# KiCad board mezi_panel.kicad_pcb (continued)
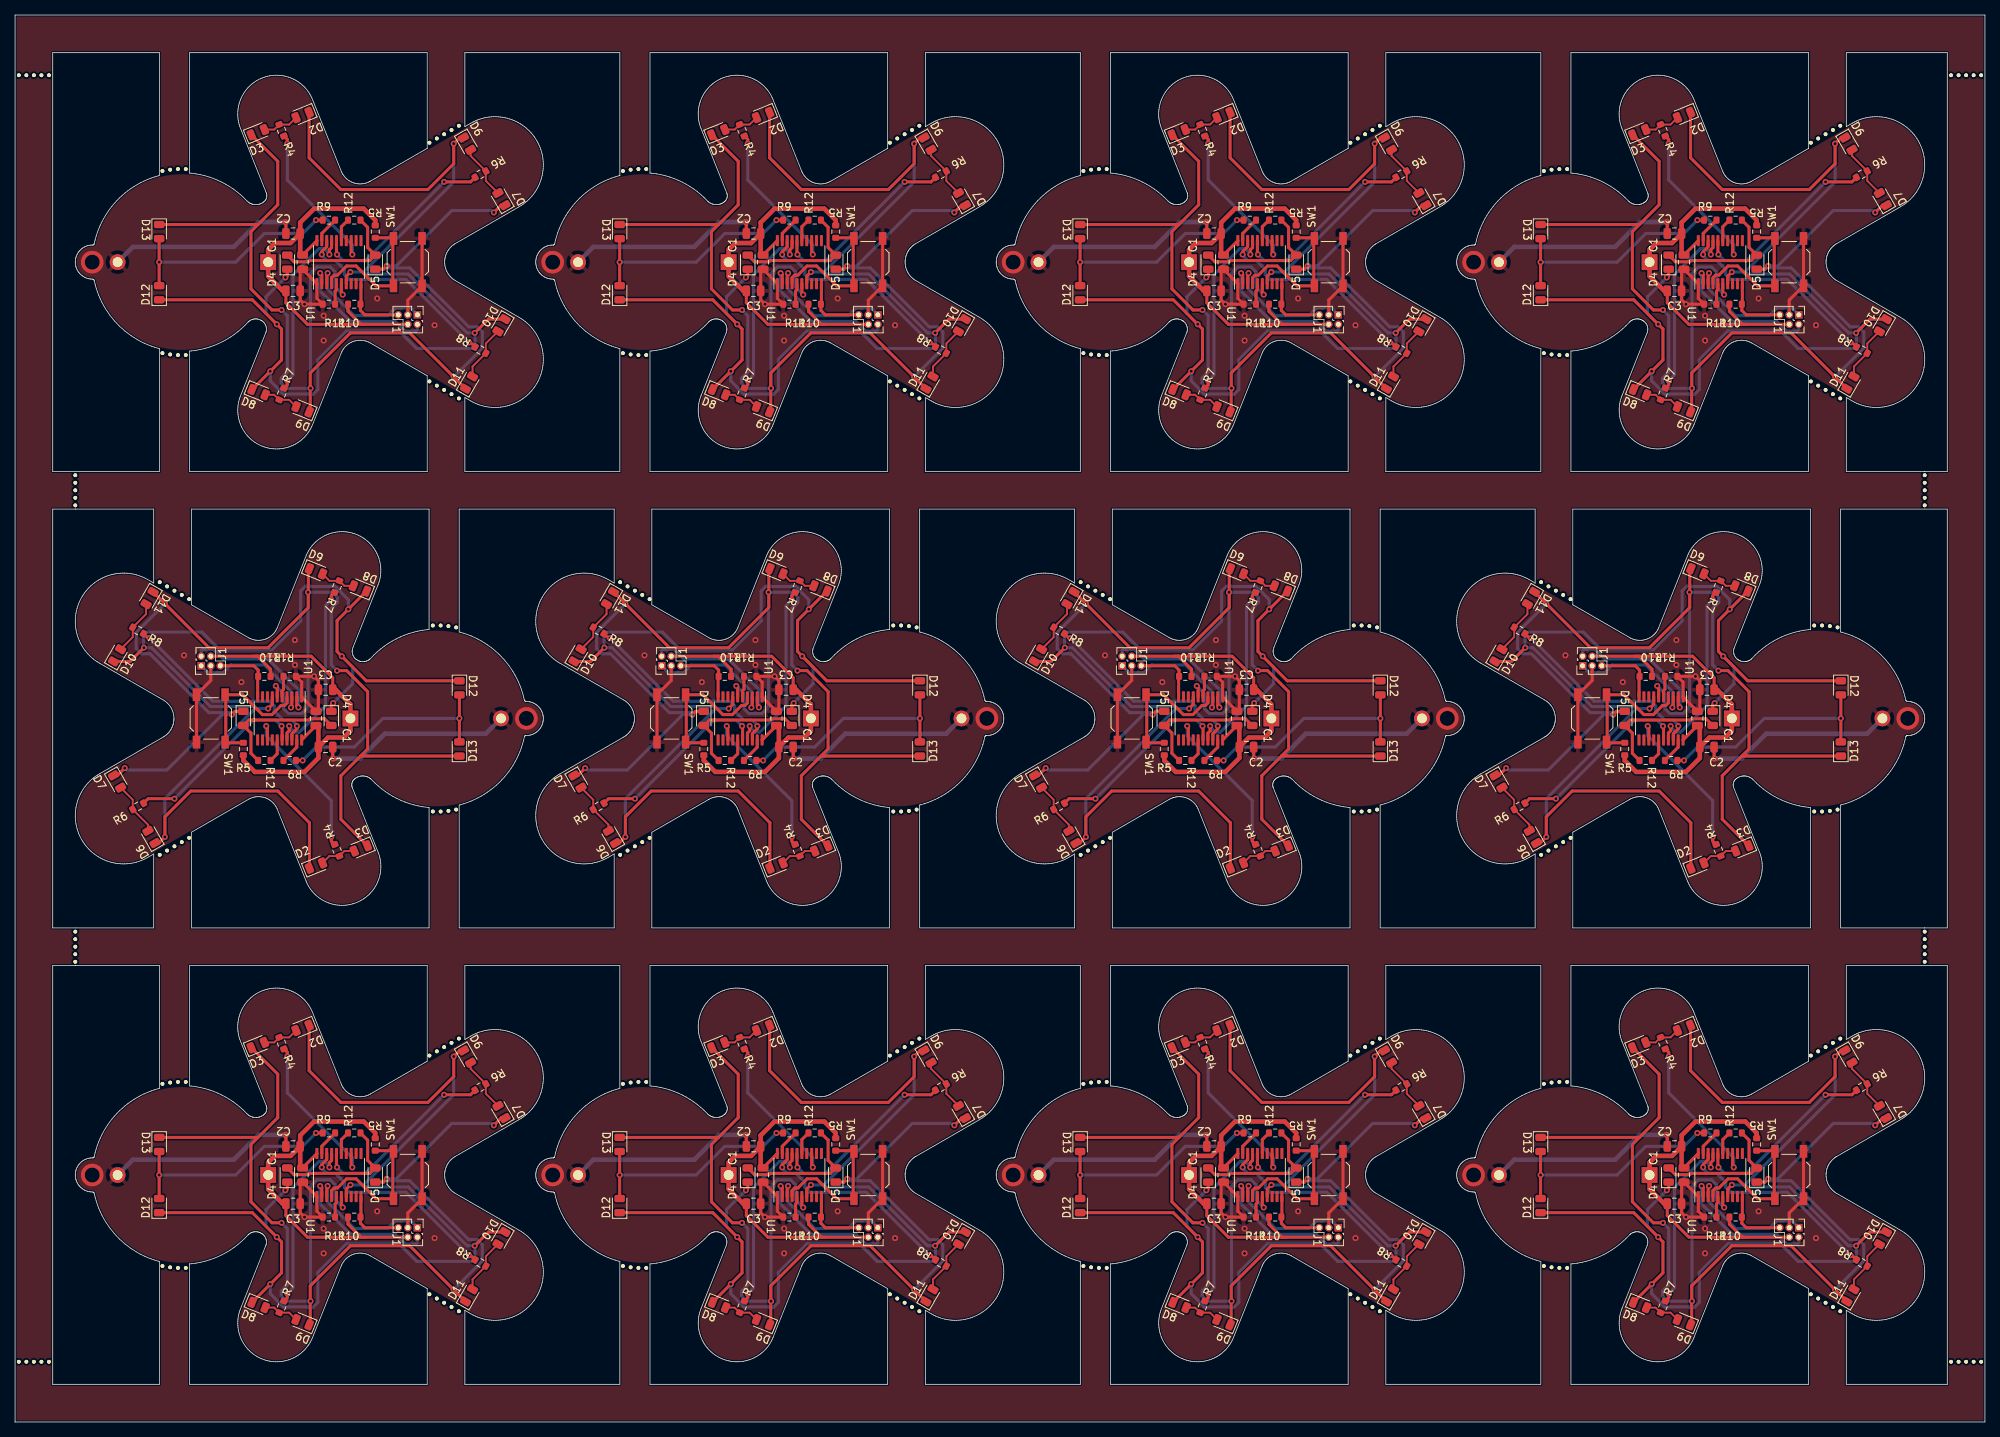
[diagram p0: board, top side]
## Routing (per net, layer and track width the routed paths; a pad name or vN(x,y) marks a point on that pad's centre or on a via; arc(x,y) is an arc through that point) (continued)
Board_1-/L2: length 3.1
  Top w0.406: U1#10.15 104.49,158.84 R5#4.2
Board_1-/L3: length 25.1
  Top w0.406: U1#10.16 103.84,155.22 v1(103.91,155.15) ; v1(118.14,164.8) 121.64,164.8 R6#3.2
  Bottom w0.406: v1(118.14,164.8) 107.68,154.35 104.72,154.35 v1(103.91,155.15)
Board_1-/L4: length 24.2
  Top w0.406: R7#4.2 97.31,137.83 v1(97.31,138.39) ; v1(102.9,155.15) 102.9,155.78 103.19,156.07 U1#10.17
  Bottom w0.406: v1(97.31,138.39) 98.07,139.15 98.07,152.48 101.55,155.95 102.21,155.95 102.9,155.27 v1(102.9,155.15)
Board_1-/L5: length 28
  Top w0.406: v1(101.88,155.15) 101.88,155.52 102.54,156.18 U1#10.18 ; v1(121.44,143.47) 121.64,143.47 R8#6.2
  Bottom w0.406: v1(101.88,155.15) 101.88,155.03 102.56,154.35 103.7,154.35 104.89,153.16 104.89,152.49 105.53,151.85 113.06,151.85 v1(121.44,143.47)
Board_1-/L6: length 3.5
  Top w0.406: U1#10.19 101.89,157.96 R9#5.2
Board_1-/MPX1: length 156.4
  Top w0.406: D9#6.1 100.36,134.37 100.36,139.4 105.69,144.74 113.55,144.74 119.4,138.89 v1(119.41,138.89) 119.41,138.88 D11.1 ; v1(104.67,149.82) 104.49,150 U1#10.6 ; v1(110.52,153.63) 110.09,153.2 D5#3.1 ; D7#10.1 125.71,161.7 v1(124.74,160.74) ; D13#9.1 93.42,159.14 ; 93.42,159.14 96.04,161.75 96.04,167.54 D3#2.1 ; 93.42,159.14 92.48,158.2 92.48,150.58 95.28,147.78 v1(96.55,147.78)
  Bottom w0.406: v1(104.67,149.82) 103.66,150.83 103.66,152.83 103,153.49 101.23,153.49 100.4,152.65 v1(100.4,137.37) 97.19,137.37 96.51,138.05 96.51,138.72 97.31,139.52 97.31,147.02 v1(96.55,147.78) ; v1(124.74,160.74) 124.49,160.99 119.15,160.99 111.79,153.63 v1(110.52,153.63) 110.77,153.37 113.56,153.37 121.4,145.54 122.53,145.54 123.22,144.86 123.22,142.7 v1(119.41,138.89)
Board_1-/MPX2: length 155.6
  Top w0.406: D4.1 97.31,152.36 v1(97.05,152.1) ; U1#10.7 105.14,152.27 v1(105.69,152.82) ; v1(122.2,144.74) 124.03,146.56 D10#6.1 ; D8#9.1 96.55,141.13 96.55,145.24 v1(95.91,145.88) 92.66,149.13 D12#12.1 ; D2#2.1 100.21,168 104.42,163.79 115.98,163.79 119.41,167.21 v1(119.41,169.88) 120.22,170.69 D6#2.1
  Bottom w0.406: 107.43,152.82 119.41,164.8 v1(119.41,169.88) ; 107.43,152.82 107.7,152.55 113.37,152.55 121.18,144.74 v1(122.2,144.74) 122.24,144.7 122.24,143.13 121.77,142.66 114.49,142.66 112.16,144.99 105.18,144.99 101.37,141.18 101.37,137.21 100.73,136.57 100.07,136.57 100.02,136.61 96.8,136.61 95.05,138.36 v1(95.05,139.63) ; 107.43,152.82 v1(105.69,152.82) ; v1(97.05,152.1) 94.47,149.52 94.47,147.32 v1(95.91,145.88)
Board_1-/nRST: length 8.8
  Top w0.406: J1#2.5 107.61,147.14 107.02,147.72 R10#3.2 107.09,148.61 U1#10.10
Board_1-/SWC: length 17.8
  Top w0.406: v1(102.67,152.68) 102.54,152.56 U1#10.3
  Bottom w0.406: J1#2.1 114.59,147.15 113.69,148.04 111.67,148.04 110.65,147.02 106.2,147.02 102.67,150.55 v1(102.67,152.68)
Board_1-/SWD: length 19.8
  Top w0.406: 101.69,152.68 v1(101.67,152.68) 101.89,152.45 U1#10.2
  Bottom w0.406: J1#2.2 114.59,145.16 114.39,144.97 112.94,144.97 111.65,146.26 105.69,146.26 101.67,150.28 v1(101.67,152.68)
Board_1-GND: length 50
  Top w0.406: J1#2.3 113.32,149.09 SW1#9.2 SW1#9.2 ; 97.12,159.4 v1(97.05,159.47) ; C2#11.2 97.12,159.28 ; 99.02,149.12 v1(99.59,148.55) R11#4.1 101.24,149.31 U1#10.1 101.24,151.28 C1#5.1 99.02,152.86 C3#6.2 99.02,149.12
  Bottom w0.61: BT1.2 76.8,156.17 90.2,156.17 93.5,159.47 v1(97.05,159.47)
  vias: v1(102.13,147.02) v1(102.13,143.72) v1(109.25,149.31) v1(116.87,145.75) v2(71.4,154.13)
Board_1-Net-(D2-A): length 4.9
  Top w0.25: D3#2.2 95.57,171.76 R4#12.1 97.56,172.43 D2#2.2
Board_1-Net-(D4-A): length 17.9
  Top w0.406: R5#4.1 107.98,158.77 107.98,156.09 D5#3.2 108.27,154.35 100.26,154.35 100.09,154.18 98.2,154.18 D4.2
Board_1-Net-(D6-A): length 7.2
  Top w0.25: D7#10.2 123.68,164.94 R6#3.1 121.65,168.25 D6#2.2
Board_1-Net-(D8-A): length 4.8
  Top w0.25: D9#6.2 97.56,135.84 R7#4.1 95.57,136.51 D8#9.2
Board_1-Net-(D10-A): length 7.4
  Top w0.25: D10#6.2 123.68,143.33 R8#6.1 121.91,140.27 D11.2
Board_1-Net-(D12-A): length 30.3
  Top w0.406: D13#9.2 v1(80.29,154.13) D12#12.2 ; R9#5.1 v1(101.12,159.72)
  Bottom w0.406: v1(80.29,154.13) 90.45,154.13 94.26,157.94 99.34,157.94 v1(101.12,159.72)
Board_1-Net-(SW1A-A): length 19.6
  Top w0.406: U1#10.4 103.19,152.07 103.53,152.41 103.97,152.41 105.18,153.63 106.45,153.63 109.09,150.98 SW1#9.1 111.32,151.08 111.32,157.19 SW1#9.1 111.32,157.37 R12#5.1
Board_1-Net-(U1-PB6/PF4-BOOT0): length 2.8
  Top w0.406: U1#10.5 103.84,150.47 103.66,150.29 R11#4.2
Board_1-VCC: length 54
  Top w0.406: J1#2.4 99.99,145.87 97.12,148.73 C3#6.1 ; U1#10.20 101.24,156.99 C1#5.2 ; R10#3.1 105.37,147.59 107.1,145.87 107.72,145.87
  Top w0.61: C2#11.1 99.02,155.4 C1#5.2 ; C2#11.1 99.02,159.4 100.86,161.25 107.47,161.25 108.99,159.72 R12#5.2 ; C2#11.1 97.75,156.67 95.65,156.67 94.77,155.79 BT1.1 94.77,152.26 96.71,150.32 C3#6.1
Board_2-/L1: length 21.4
  Top w0.406: v1(158.46,169.88) 158.46,170.44 R4#7.2 ; v1(167.1,155.15) 166.94,155.3 U1#2.13
  Bottom w0.406: v1(158.46,169.88) 158.46,165.06 167.1,156.42 v1(167.1,155.15)
Board_2-/L2: length 3.1
  Top w0.406: R5#9.2 165.64,158.84 U1#2.15
Board_2-/L3: length 25.1
  Top w0.406: v1(165.07,155.15) 164.99,155.22 U1#2.16 ; R6#8.2 182.8,164.8 v1(179.29,164.8)
  Bottom w0.406: v1(165.07,155.15) 165.87,154.35 168.83,154.35 v1(179.29,164.8)
Board_2-/L4: length 24.2
  Top w0.406: v1(164.05,155.15) 164.05,155.78 164.34,156.07 U1#2.17 ; v1(158.46,138.39) 158.46,137.83 R7#6.2
  Bottom w0.406: v1(164.05,155.15) 164.05,155.27 163.37,155.95 162.7,155.95 159.22,152.48 159.22,139.15 v1(158.46,138.39)
Board_2-/L5: length 28
  Top w0.406: U1#2.18 163.69,156.18 163.03,155.52 v1(163.03,155.15) ; v1(182.59,143.47) 182.8,143.47 R8#10.2
  Bottom w0.406: v1(182.59,143.47) 174.21,151.85 166.68,151.85 166.04,152.49 166.04,153.16 164.85,154.35 163.72,154.35 163.03,155.03 v1(163.03,155.15)
Board_2-/L6: length 3.5
  Top w0.406: R9#2.2 163.04,157.96 U1#2.19
Board_2-/MPX1: length 156.4
  Top w0.406: D3#7.1 157.19,167.54 157.19,161.75 154.57,159.14 ; v1(157.7,147.78) 156.43,147.78 153.64,150.58 153.64,158.2 154.57,159.14 ; D7#12.1 186.86,161.7 v1(185.89,160.74) ; D11#2.1 180.56,138.88 v1(180.56,138.89) 180.55,138.89 174.71,144.74 166.84,144.74 161.51,139.4 161.51,134.37 D9.1 ; v1(165.83,149.82) 165.64,150 U1#2.6 ; 154.57,159.14 D13#5.1 ; D5#2.1 171.24,153.2 v1(171.67,153.63)
  Bottom w0.406: v1(185.89,160.74) 185.64,160.99 180.31,160.99 172.94,153.63 v1(171.67,153.63) 171.92,153.37 174.72,153.37 182.55,145.54 183.69,145.54 184.37,144.86 184.37,142.7 v1(180.56,138.89) ; v1(165.83,149.82) 164.81,150.83 164.81,152.83 164.15,153.49 162.39,153.49 161.55,152.65 v1(161.55,137.37) 158.34,137.37 157.66,138.05 157.66,138.72 158.46,139.52 158.46,147.02 v1(157.7,147.78)
Board_2-/MPX2: length 155.6
  Top w0.406: D4#4.1 158.46,152.36 v1(158.21,152.1) ; D6#5.1 181.37,170.69 v1(180.56,169.88) 180.56,167.21 177.14,163.79 165.57,163.79 161.36,168 D2#11.1 ; v1(183.35,144.74) 185.18,146.56 D10#8.1 ; D12.1 153.81,149.13 v1(157.06,145.88) 157.7,145.24 157.7,141.13 D8#2.1 ; v1(166.84,152.82) 166.29,152.27 U1#2.7
  Bottom w0.406: v1(158.21,152.1) 155.63,149.52 155.63,147.32 v1(157.06,145.88) ; v1(156.2,139.63) 156.2,138.36 157.95,136.61 161.18,136.61 161.22,136.57 161.88,136.57 162.53,137.21 162.53,141.18 166.34,144.99 173.32,144.99 175.64,142.66 182.92,142.66 183.39,143.13 183.39,144.7 v1(183.35,144.74) 182.34,144.74 174.52,152.55 168.85,152.55 168.58,152.82 ; 168.58,152.82 v1(166.84,152.82) ; 168.58,152.82 180.56,164.8 v1(180.56,169.88)
Board_2-/nRST: length 8.8
  Top w0.406: U1#2.10 168.24,148.61 R10#7.2 168.18,147.72 168.76,147.14 J1#5.5
Board_2-/SWC: length 17.8
  Top w0.406: v1(163.82,152.68) 163.69,152.56 U1#2.3
  Bottom w0.406: J1#5.1 175.74,147.15 174.84,148.04 172.82,148.04 171.8,147.02 167.35,147.02 163.82,150.55 v1(163.82,152.68)
Board_2-/SWD: length 19.8
  Top w0.406: U1#2.2 163.04,152.45 v1(162.82,152.68) 162.85,152.68
  Bottom w0.406: J1#5.2 175.74,145.16 175.54,144.97 174.09,144.97 172.8,146.26 166.84,146.26 162.82,150.28 v1(162.82,152.68)
Board_2-GND: length 50
  Top w0.406: C2#2.2 158.27,159.28 ; J1#5.3 174.47,149.09 SW1#3.2 SW1#3.2 ; 158.27,159.4 v1(158.21,159.47) ; R11#9.1 v1(160.75,148.55) 160.17,149.12 C3.2 160.17,152.86 C1#3.1 162.39,151.28 U1#2.1 162.39,149.31 R11#9.1
  Bottom w0.61: BT1#6.2 137.95,156.17 151.35,156.17 154.65,159.47 v1(158.21,159.47)
  vias: v1(163.29,147.02) v1(163.29,143.72) v1(170.4,149.31) v1(178.02,145.75) v2(132.55,154.13)
Board_2-Net-(D2-A): length 4.9
  Top w0.25: D2#11.2 158.71,172.43 R4#7.1 156.72,171.76 D3#7.2
Board_2-Net-(D4-A): length 17.9
  Top w0.406: R5#9.1 169.13,158.77 169.13,156.09 D5#2.2 169.42,154.35 161.41,154.35 161.25,154.18 159.35,154.18 D4#4.2
Board_2-Net-(D6-A): length 7.2
  Top w0.25: D6#5.2 182.81,168.25 R6#8.1 184.83,164.94 D7#12.2
Board_2-Net-(D8-A): length 4.8
  Top w0.25: D8#2.2 156.72,136.51 R7#6.1 158.71,135.84 D9.2
Board_2-Net-(D10-A): length 7.4
  Top w0.25: D10#8.2 184.83,143.33 R8#10.1 183.06,140.27 D11#2.2
Board_2-Net-(D12-A): length 30.3
  Top w0.406: D13#5.2 v1(141.44,154.13) D12.2 ; R9#2.1 v1(162.27,159.72)
  Bottom w0.406: v1(141.44,154.13) 151.6,154.13 155.41,157.94 160.49,157.94 v1(162.27,159.72)
Board_2-Net-(SW1A-A): length 19.6
  Top w0.406: U1#2.4 164.34,152.07 164.68,152.41 165.12,152.41 166.34,153.63 167.61,153.63 170.25,150.98 SW1#3.1 172.47,151.08 172.47,157.19 SW1#3.1 172.47,157.37 R12#7.1
Board_2-Net-(U1-PB6/PF4-BOOT0): length 2.8
  Top w0.406: U1#2.5 164.99,150.47 164.81,150.29 R11#9.2
Board_2-VCC: length 54
  Top w0.406: U1#2.20 162.39,156.99 C1#3.2 ; J1#5.4 161.14,145.87 158.27,148.73 C3.1 ; R10#7.1 166.53,147.59 168.25,145.87 168.88,145.87
  Top w0.61: C1#3.2 160.17,155.4 C2#2.1 ; C2#2.1 158.9,156.67 156.8,156.67 155.92,155.79 BT1#6.1 155.92,152.26 157.86,150.32 C3.1 ; C2#2.1 160.17,159.4 162.02,161.25 168.62,161.25 170.15,159.72 R12#7.2
Board_3-/L1: length 21.4
  Top w0.406: U1#12.13 228.1,155.3 v1(228.25,155.15) ; R4#11.2 219.61,170.44 v1(219.61,169.88)
  Bottom w0.406: v1(228.25,155.15) 228.25,156.42 219.61,165.06 v1(219.61,169.88)
Board_3-/L2: length 3.1
  Top w0.406: U1#12.15 226.8,158.84 R5#2.2
Board_3-/L3: length 25.1
  Top w0.406: v1(240.44,164.8) 243.95,164.8 R6#6.2 ; U1#12.16 226.15,155.22 v1(226.22,155.15)
  Bottom w0.406: v1(240.44,164.8) 229.99,154.35 227.02,154.35 v1(226.22,155.15)
Board_3-/L4: length 24.2
  Top w0.406: v1(225.2,155.15) 225.2,155.78 225.5,156.07 U1#12.17 ; v1(219.61,138.39) 219.61,137.83 R7#3.2
  Bottom w0.406: v1(219.61,138.39) 220.38,139.15 220.38,152.48 223.85,155.95 224.52,155.95 225.2,155.27 v1(225.2,155.15)
Board_3-/L5: length 28
  Top w0.406: v1(243.74,143.47) 243.95,143.47 R8#9.2 ; U1#12.18 224.85,156.18 224.19,155.52 v1(224.19,155.15)
  Bottom w0.406: v1(224.19,155.15) 224.19,155.03 224.87,154.35 226.01,154.35 227.19,153.16 227.19,152.49 227.84,151.85 235.36,151.85 v1(243.74,143.47)
Board_3-/L6: length 3.5
  Top w0.406: R9.2 224.2,157.96 U1#12.19
Board_3-/MPX1: length 156.4
  Top w0.406: D9#7.1 222.66,134.37 222.66,139.4 228,144.74 235.86,144.74 241.7,138.89 v1(241.71,138.89) 241.71,138.88 D11#6.1 ; v1(232.82,153.63) 232.39,153.2 D5#6.1 ; D3.1 218.34,167.54 218.34,161.75 215.73,159.14 ; D7.1 248.01,161.7 v1(247.05,160.74) ; v1(226.98,149.82) 226.8,150 U1#12.6 ; 215.73,159.14 214.79,158.2 214.79,150.58 217.58,147.78 v1(218.85,147.78) ; 215.73,159.14 D13#3.1
  Bottom w0.406: v1(241.71,138.89) 245.52,142.7 245.52,144.86 244.84,145.54 243.7,145.54 235.87,153.37 233.08,153.37 v1(232.82,153.63) 234.09,153.63 241.46,160.99 246.79,160.99 v1(247.05,160.74) ; v1(226.98,149.82) 225.96,150.83 225.96,152.83 225.31,153.49 223.54,153.49 222.7,152.65 v1(222.7,137.37) 219.49,137.37 218.81,138.05 218.81,138.72 219.61,139.52 219.61,147.02 v1(218.85,147.78)
Board_3-/MPX2: length 155.6
  Top w0.406: v1(228,152.82) 227.45,152.27 U1#12.7 ; D4#11.1 219.61,152.36 v1(219.36,152.1) ; D6#10.1 242.52,170.69 v1(241.71,169.88) 241.71,167.21 238.29,163.79 226.73,163.79 222.52,168 D2#9.1 ; D12#3.1 214.96,149.13 v1(218.22,145.88) 218.85,145.24 218.85,141.13 D8#7.1 ; D10#10.1 246.33,146.56 v1(244.51,144.74)
  Bottom w0.406: v1(241.71,169.88) 241.71,164.8 229.73,152.82 ; 229.73,152.82 v1(228,152.82) ; 229.73,152.82 230.01,152.55 235.67,152.55 243.49,144.74 v1(244.51,144.74) 244.55,144.7 244.55,143.13 244.08,142.66 236.8,142.66 234.47,144.99 227.49,144.99 223.68,141.18 223.68,137.21 223.04,136.57 222.37,136.57 222.33,136.61 219.11,136.61 217.35,138.36 v1(217.35,139.63) ; v1(219.36,152.1) 216.78,149.52 216.78,147.32 v1(218.22,145.88)
Board_3-/nRST: length 8.8
  Top w0.406: J1#6.5 229.91,147.14 229.33,147.72 R10#10.2 229.4,148.61 U1#12.10
Board_3-/SWC: length 17.8
  Top w0.406: U1#12.3 224.85,152.56 v1(224.97,152.68)
  Bottom w0.406: v1(224.97,152.68) 224.97,150.55 228.5,147.02 232.96,147.02 233.98,148.04 236,148.04 236.89,147.15 J1#6.1
Board_3-/SWD: length 19.8
  Top w0.406: U1#12.2 224.2,152.45 v1(223.97,152.68) 224,152.68
  Bottom w0.406: v1(223.97,152.68) 223.97,150.28 228,146.26 233.95,146.26 235.25,144.97 236.7,144.97 236.89,145.16 J1#6.2
Board_3-GND: length 50
  Top w0.406: C2#7.2 219.43,159.28 ; 219.43,159.4 v1(219.36,159.47) ; SW1#4.2 SW1#4.2 235.62,149.09 J1#6.3 ; C3#2.2 221.33,149.12 v1(221.9,148.55) R11#7.1 223.55,149.31 U1#12.1 223.55,151.28 C1#11.1 221.33,152.86 C3#2.2
  Bottom w0.61: v1(219.36,159.47) 215.8,159.47 212.5,156.17 199.11,156.17 BT1#4.2
  vias: v1(224.44,147.02) v1(224.44,143.72) v1(231.55,149.31) v1(239.17,145.75) v2(193.71,154.13)
Board_3-Net-(D2-A): length 4.9
  Top w0.25: D3.2 217.88,171.76 R4#11.1 219.86,172.43 D2#9.2
Board_3-Net-(D4-A): length 17.9
  Top w0.406: R5#2.1 230.28,158.77 230.28,156.09 D5#6.2 230.57,154.35 222.57,154.35 222.4,154.18 220.51,154.18 D4#11.2
Board_3-Net-(D6-A): length 7.2
  Top w0.25: D7.2 245.98,164.94 R6#6.1 243.96,168.25 D6#10.2
Board_3-Net-(D8-A): length 4.8
  Top w0.25: D9#7.2 219.86,135.84 R7#3.1 217.88,136.51 D8#7.2
Board_3-Net-(D10-A): length 7.4
  Top w0.25: D10#10.2 245.98,143.33 R8#9.1 244.21,140.27 D11#6.2
Board_3-Net-(D12-A): length 30.3
  Top w0.406: R9.1 v1(223.42,159.72) ; D13#3.2 v1(202.6,154.13) D12#3.2
  Bottom w0.406: v1(202.6,154.13) 212.76,154.13 216.57,157.94 221.65,157.94 v1(223.42,159.72)
Board_3-Net-(SW1A-A): length 19.6
  Top w0.406: R12.1 233.63,157.37 SW1#4.1 233.63,157.19 233.63,151.08 SW1#4.1 231.4,150.98 228.76,153.63 227.49,153.63 226.28,152.41 225.84,152.41 225.5,152.07 U1#12.4
Board_3-Net-(U1-PB6/PF4-BOOT0): length 2.8
  Top w0.406: R11#7.2 225.96,150.29 226.15,150.47 U1#12.5
Board_3-VCC: length 54
  Top w0.406: R10#10.1 227.68,147.59 229.4,145.87 230.03,145.87 ; J1#6.4 222.29,145.87 219.43,148.73 C3#2.1 ; U1#12.20 223.55,156.99 C1#11.2
  Top w0.61: C1#11.2 221.33,155.4 C2#7.1 ; C2#7.1 220.06,156.67 217.96,156.67 217.07,155.79 BT1#4.1 217.07,152.26 219.01,150.32 C3#2.1 ; C2#7.1 221.33,159.4 223.17,161.25 229.77,161.25 231.3,159.72 R12.2
Board_4-/L1: length 21.4
  Top w0.406: v1(33.36,92.48) 33.51,92.33 U1#11.13 ; R4.2 42,77.19 v1(42,77.75)
  Bottom w0.406: v1(42,77.75) 42,82.58 33.36,91.21 v1(33.36,92.48)
Board_4-/L2: length 3.1
  Top w0.406: U1#11.15 34.81,88.79 R5#11.2
Board_4-/L3: length 25.1
  Top w0.406: R6#4.2 17.66,82.83 v1(21.17,82.83) ; v1(35.39,92.48) 35.46,92.41 U1#11.16
  Bottom w0.406: v1(35.39,92.48) 34.59,93.29 31.63,93.29 v1(21.17,82.83)
Board_4-/L4: length 24.2
  Top w0.406: R7#2.2 42,109.81 v1(42,109.25) ; v1(36.41,92.48) 36.41,91.86 36.11,91.56 U1#11.17
  Bottom w0.406: v1(42,109.25) 41.24,108.49 41.24,95.16 37.76,91.68 37.09,91.68 36.41,92.36 v1(36.41,92.48)
Board_4-/L5: length 28
  Top w0.406: v1(37.43,92.48) 37.43,92.12 36.76,91.46 U1#11.18 ; v1(17.87,104.17) 17.66,104.17 R8#7.2
  Bottom w0.406: v1(37.43,92.48) 37.43,92.6 36.74,93.29 35.61,93.29 34.42,94.47 34.42,95.14 33.78,95.79 26.25,95.79 v1(17.87,104.17)
Board_4-/L6: length 3.5
  Top w0.406: R9#12.2 37.41,89.68 U1#11.19
Board_4-/MPX1: length 156.4
  Top w0.406: D9#9.1 38.95,113.26 38.95,108.23 33.62,102.9 25.75,102.9 19.91,108.74 v1(19.9,108.74) 19.9,108.75 D11#12.1 ; v1(14.57,86.9) 13.6,85.93 D7#9.1 ; v1(34.63,97.82) 34.81,97.63 U1#11.6 ; D3#4.1 43.27,80.09 43.27,85.88 45.89,88.5 ; D13#12.1 45.89,88.5 ; 45.89,88.5 46.82,89.44 46.82,97.06 44.03,99.85 v1(42.76,99.85) ; D5#10.1 29.22,94.44 v1(28.79,94.01)
  Bottom w0.406: v1(42.76,99.85) 42,100.61 42,108.11 42.8,108.91 42.8,109.58 42.12,110.26 v1(38.91,110.26) 38.91,94.98 38.07,94.15 36.31,94.15 35.65,94.8 35.65,96.8 v1(34.63,97.82) ; v1(14.57,86.9) 14.82,86.64 20.15,86.64 27.52,94.01 v1(28.79,94.01) 28.54,94.26 25.74,94.26 17.91,102.09 16.77,102.09 16.09,102.78 16.09,104.93 v1(19.9,108.74)
Board_4-/MPX2: length 155.6
  Top w0.406: v1(42.25,95.53) 42,95.28 D4#8.1 ; v1(33.62,94.81) 34.16,95.36 U1#11.7 ; D12#11.1 46.65,98.5 v1(43.39,101.75) 42.76,102.39 42.76,106.5 D8#10.1 ; v1(17.11,102.9) 15.28,101.07 D10#9.1 ; D2#5.1 39.1,79.64 34.89,83.85 23.32,83.85 19.9,80.43 v1(19.9,77.75) 19.09,76.94 D6#8.1
  Bottom w0.406: 31.88,94.81 31.61,95.08 25.94,95.08 18.12,102.9 v1(17.11,102.9) 17.06,102.94 17.06,104.5 17.54,104.97 24.82,104.97 27.14,102.64 34.12,102.64 37.93,106.45 37.93,110.42 38.58,111.07 39.24,111.07 39.28,111.03 42.51,111.03 44.26,109.27 v1(44.26,108) ; 31.88,94.81 19.9,82.83 v1(19.9,77.75) ; 31.88,94.81 v1(33.62,94.81) ; v1(43.39,101.75) 44.83,100.32 44.83,98.11 v1(42.25,95.53)
Board_4-/nRST: length 8.8
  Top w0.406: J1#8.5 31.7,100.49 32.28,99.91 R10#11.2 32.21,99.02 U1#11.10
Board_4-/SWC: length 17.8
  Top w0.406: v1(36.64,94.95) 36.76,95.07 U1#11.3
  Bottom w0.406: v1(36.64,94.95) 36.64,97.08 33.11,100.61 28.66,100.61 27.63,99.59 25.62,99.59 24.72,100.49 J1#8.1
Board_4-/SWD: length 19.8
  Top w0.406: U1#11.2 37.41,95.18 v1(37.64,94.96) 37.61,94.96
  Bottom w0.406: J1#8.2 24.72,102.47 24.92,102.67 26.36,102.67 27.66,101.37 33.62,101.37 37.64,97.35 v1(37.64,94.96)
Board_4-GND: length 50
  Top w0.406: 42.19,88.23 v1(42.25,88.17) ; SW1#7.2 SW1#7.2 25.99,98.54 J1#8.3 ; C2#6.2 42.19,88.35 ; C3#12.2 40.29,94.77 C1#6.1 38.06,96.35 U1#11.1 38.06,98.32 R11#11.1 v1(39.71,99.09) 40.29,98.51 C3#12.2
  Bottom w0.61: v1(42.25,88.17) 45.81,88.17 49.11,91.47 62.51,91.47 BT1#2.2
  vias: v1(22.44,101.88) v1(30.06,98.33) v1(37.17,103.91) v1(37.17,100.61) v2(67.91,93.5)
Board_4-Net-(D2-A): length 4.9
  Top w0.25: D2#5.2 41.75,75.21 R4.1 43.74,75.88 D3#4.2
Board_4-Net-(D4-A): length 17.9
  Top w0.406: R5#11.1 31.33,88.86 31.33,91.55 D5#10.2 31.04,93.29 39.05,93.29 39.21,93.45 41.11,93.45 D4#8.2
Board_4-Net-(D6-A): length 7.2
  Top w0.25: D6#8.2 17.65,79.38 R6#4.1 15.63,82.69 D7#9.2
Board_4-Net-(D8-A): length 4.8
  Top w0.25: D8#10.2 43.74,111.12 R7#2.1 41.75,111.79 D9#9.2
Board_4-Net-(D10-A): length 7.4
  Top w0.25: D10#9.2 15.63,104.3 R8#7.1 17.4,107.37 D11#12.2
Board_4-Net-(D12-A): length 30.3
  Top w0.406: D13#12.2 v1(59.02,93.5) D12#11.2 ; R9#12.1 v1(38.19,87.91)
  Bottom w0.406: v1(38.19,87.91) 39.97,89.69 45.05,89.69 48.86,93.5 v1(59.02,93.5)
Board_4-Net-(SW1A-A): length 19.6
  Top w0.406: R12#3.1 27.98,90.26 SW1#7.1 27.99,90.44 27.99,96.56 SW1#7.1 30.21,96.65 32.85,94.01 34.12,94.01 35.34,95.22 35.78,95.22 36.11,95.56 U1#11.4
Board_4-Net-(U1-PB6/PF4-BOOT0): length 2.8
  Top w0.406: U1#11.5 35.46,97.16 35.65,97.35 R11#11.2
Board_4-VCC: length 54
  Top w0.406: 31.58,101.76 32.21,101.76 33.93,100.04 R10#11.1 ; U1#11.20 38.06,90.65 C1#6.2 ; J1#8.4 39.32,101.76 42.19,98.9 C3#12.1
  Top w0.61: C3#12.1 42.6,97.31 44.54,95.37 BT1#2.1 44.54,91.84 43.66,90.96 41.56,90.96 C2#6.1 ; C2#6.1 40.29,88.23 38.44,86.39 31.84,86.39 30.31,87.91 R12#3.2 ; C2#6.1 40.29,92.23 C1#6.2
Board_5-/L1: length 21.4
  Top w0.406: v1(103.15,77.75) 103.15,77.19 R4#9.2 ; U1#5.13 94.67,92.33 v1(94.52,92.48)
  Bottom w0.406: v1(94.52,92.48) 94.52,91.21 103.15,82.58 v1(103.15,77.75)
Board_5-/L2: length 3.1
  Top w0.406: U1#5.15 95.97,88.79 R5#3.2
Board_5-/L3: length 25.1
  Top w0.406: v1(96.55,92.48) 96.62,92.41 U1#5.16 ; R6#5.2 78.81,82.83 v1(82.32,82.83)
  Bottom w0.406: v1(82.32,82.83) 92.78,93.29 95.74,93.29 v1(96.55,92.48)
Board_5-/L4: length 24.2
  Top w0.406: U1#5.17 97.27,91.56 97.56,91.86 v1(97.56,92.48) ; R7#5.2 103.15,109.81 v1(103.15,109.25)
  Bottom w0.406: v1(103.15,109.25) 102.39,108.49 102.39,95.16 98.91,91.68 98.25,91.68 97.56,92.36 v1(97.56,92.48)
Board_5-/L5: length 28
  Top w0.406: v1(98.58,92.48) 98.58,92.12 97.92,91.46 U1#5.18 ; R8#4.2 78.82,104.17 v1(79.02,104.17)
  Bottom w0.406: v1(98.58,92.48) 98.58,92.6 97.9,93.29 96.76,93.29 95.57,94.47 95.57,95.14 94.93,95.79 87.4,95.79 v1(79.02,104.17)
Board_5-/L6: length 3.5
  Top w0.406: U1#5.19 98.57,89.68 R9#6.2
Board_5-/MPX1: length 156.4
  Top w0.406: 107.04,88.5 107.98,89.44 107.98,97.06 105.18,99.85 v1(103.91,99.85) ; 107.04,88.5 104.42,85.88 104.42,80.09 D3#9.1 ; 107.04,88.5 D13#4.1 ; D9#4.1 100.1,113.26 100.1,108.23 94.77,102.9 86.91,102.9 81.06,108.74 v1(81.05,108.74) 81.05,108.75 D11#10.1 ; v1(89.94,94.01) 90.37,94.44 D5.1 ; v1(95.79,97.82) 95.97,97.63 U1#5.6 ; D7#11.1 74.75,85.93 v1(75.72,86.9)
  Bottom w0.406: v1(75.72,86.9) 75.97,86.64 81.31,86.64 88.67,94.01 v1(89.94,94.01) 89.69,94.26 86.9,94.26 79.06,102.09 77.93,102.09 77.24,102.78 77.24,104.93 v1(81.05,108.74) ; v1(95.79,97.82) 96.8,96.8 96.8,94.8 97.46,94.15 99.23,94.15 100.06,94.98 v1(100.06,110.26) 103.27,110.26 103.95,109.58 103.95,108.91 103.15,108.11 103.15,100.61 v1(103.91,99.85)
Board_5-/MPX2: length 155.6
  Top w0.406: D6#9.1 80.24,76.94 v1(81.05,77.75) 81.05,80.43 84.47,83.85 96.04,83.85 100.25,79.64 D2#8.1 ; D4#12.1 103.15,95.28 v1(103.41,95.53) ; v1(78.26,102.9) 76.43,101.07 D10#7.1 ; D8#8.1 103.91,106.5 103.91,102.39 v1(104.55,101.75) 107.8,98.5 D12#2.1 ; v1(94.77,94.81) 95.32,95.36 U1#5.7
  Bottom w0.406: v1(81.05,77.75) 81.05,82.83 93.03,94.81 ; v1(94.77,94.81) 93.03,94.81 ; 93.03,94.81 92.76,95.08 87.09,95.08 79.28,102.9 v1(78.26,102.9) 78.22,102.94 78.22,104.5 78.69,104.97 85.97,104.97 88.3,102.64 95.28,102.64 99.09,106.45 99.09,110.42 99.73,111.07 100.39,111.07 100.44,111.03 103.66,111.03 105.41,109.27 v1(105.41,108) ; v1(104.55,101.75) 105.99,100.32 105.99,98.11 v1(103.41,95.53)
Board_5-/nRST: length 8.8
  Top w0.406: U1#5.10 93.37,99.02 R10#6.2 93.44,99.91 92.85,100.49 J1#3.5
Board_5-/SWC: length 17.8
  Top w0.406: v1(97.79,94.95) 97.92,95.07 U1#5.3
  Bottom w0.406: v1(97.79,94.95) 97.79,97.08 94.26,100.61 89.81,100.61 88.79,99.59 86.77,99.59 85.87,100.49 J1#3.1
Board_5-/SWD: length 19.8
  Top w0.406: U1#5.2 98.57,95.18 v1(98.79,94.96) 98.77,94.96
  Bottom w0.406: J1#3.2 85.87,102.47 86.07,102.67 87.52,102.67 88.81,101.37 94.77,101.37 98.79,97.35 v1(98.79,94.96)
Board_5-GND: length 50
  Top w0.406: SW1#2.2 SW1#2.2 87.14,98.54 J1#3.3 ; C2#5.2 103.34,88.35 ; 103.34,88.23 v1(103.41,88.17) ; R11.1 99.22,98.32 U1#5.1 99.22,96.35 C1#7.1 101.44,94.77 C3#4.2 101.44,98.51 v1(100.87,99.09) R11.1
  Bottom w0.61: v1(103.41,88.17) 106.96,88.17 110.26,91.47 123.66,91.47 BT1#8.2
  vias: v1(83.59,101.88) v1(91.21,98.33) v1(98.33,103.91) v1(98.33,100.61) v2(129.06,93.5)
Board_5-Net-(D2-A): length 4.9
  Top w0.25: D2#8.2 102.9,75.21 R4#9.1 104.89,75.88 D3#9.2
Board_5-Net-(D4-A): length 17.9
  Top w0.406: R5#3.1 92.48,88.86 92.48,91.55 D5.2 92.19,93.29 100.2,93.29 100.37,93.45 102.26,93.45 D4#12.2
Board_5-Net-(D6-A): length 7.2
  Top w0.25: D7#11.2 76.78,82.69 R6#5.1 78.81,79.38 D6#9.2
Board_5-Net-(D8-A): length 4.8
  Top w0.25: D8#8.2 104.89,111.12 R7#5.1 102.9,111.79 D9#4.2
Board_5-Net-(D10-A): length 7.4
  Top w0.25: D10#7.2 76.78,104.3 R8#4.1 78.55,107.37 D11#10.2
Board_5-Net-(D12-A): length 30.3
  Top w0.406: D12#2.2 v1(120.17,93.5) D13#4.2 ; R9#6.1 v1(99.34,87.91)
  Bottom w0.406: v1(120.17,93.5) 110.01,93.5 106.2,89.69 101.12,89.69 v1(99.34,87.91)
Board_5-Net-(SW1A-A): length 19.6
  Top w0.406: R12#11.1 89.14,90.26 SW1#2.1 89.14,90.44 89.14,96.56 SW1#2.1 91.37,96.65 94.01,94.01 95.28,94.01 96.49,95.22 96.93,95.22 97.27,95.56 U1#5.4
Board_5-Net-(U1-PB6/PF4-BOOT0): length 2.8
  Top w0.406: R11.2 96.8,97.35 96.62,97.16 U1#5.5
Board_5-VCC: length 54
  Top w0.406: 92.74,101.76 93.36,101.76 95.09,100.04 R10#6.1 ; U1#5.20 99.22,90.65 C1#7.2 ; C3#4.1 103.34,98.9 100.47,101.76 J1#3.4
  Top w0.61: C2#5.1 101.44,88.23 99.6,86.39 92.99,86.39 91.47,87.91 R12#11.2 ; C2#5.1 101.44,92.23 C1#7.2 ; C2#5.1 102.71,90.96 104.81,90.96 105.69,91.84 BT1#8.1 105.69,95.37 103.75,97.31 C3#4.1
Board_6-/L1: length 21.4
  Top w0.406: v1(155.67,92.48) 155.82,92.33 U1#6.13 ; v1(164.3,77.75) 164.3,77.19 R4#3.2
  Bottom w0.406: v1(155.67,92.48) 155.67,91.21 164.3,82.58 v1(164.3,77.75)
Board_6-/L2: length 3.1
  Top w0.406: R5#10.2 157.12,88.79 U1#6.15
Board_6-/L3: length 25.1
  Top w0.406: v1(157.7,92.48) 157.77,92.41 U1#6.16 ; R6#2.2 139.97,82.83 v1(143.48,82.83)
  Bottom w0.406: v1(143.48,82.83) 153.93,93.29 156.9,93.29 v1(157.7,92.48)
Board_6-/L4: length 24.2
  Top w0.406: v1(158.72,92.48) 158.72,91.86 158.42,91.56 U1#6.17 ; R7#9.2 164.3,109.81 v1(164.3,109.25)
  Bottom w0.406: v1(164.3,109.25) 163.54,108.49 163.54,95.16 160.06,91.68 159.4,91.68 158.72,92.36 v1(158.72,92.48)
Board_6-/L5: length 28
  Top w0.406: U1#6.18 159.07,91.46 159.73,92.12 v1(159.73,92.48) ; R8#11.2 139.97,104.17 v1(140.17,104.17)
  Bottom w0.406: v1(159.73,92.48) 159.73,92.6 159.05,93.29 157.91,93.29 156.73,94.47 156.73,95.14 156.08,95.79 148.56,95.79 v1(140.17,104.17)
Board_6-/L6: length 3.5
  Top w0.406: R9#11.2 159.72,89.68 U1#6.19